# KiCad board ciaa_acc.kicad_pcb (continued)
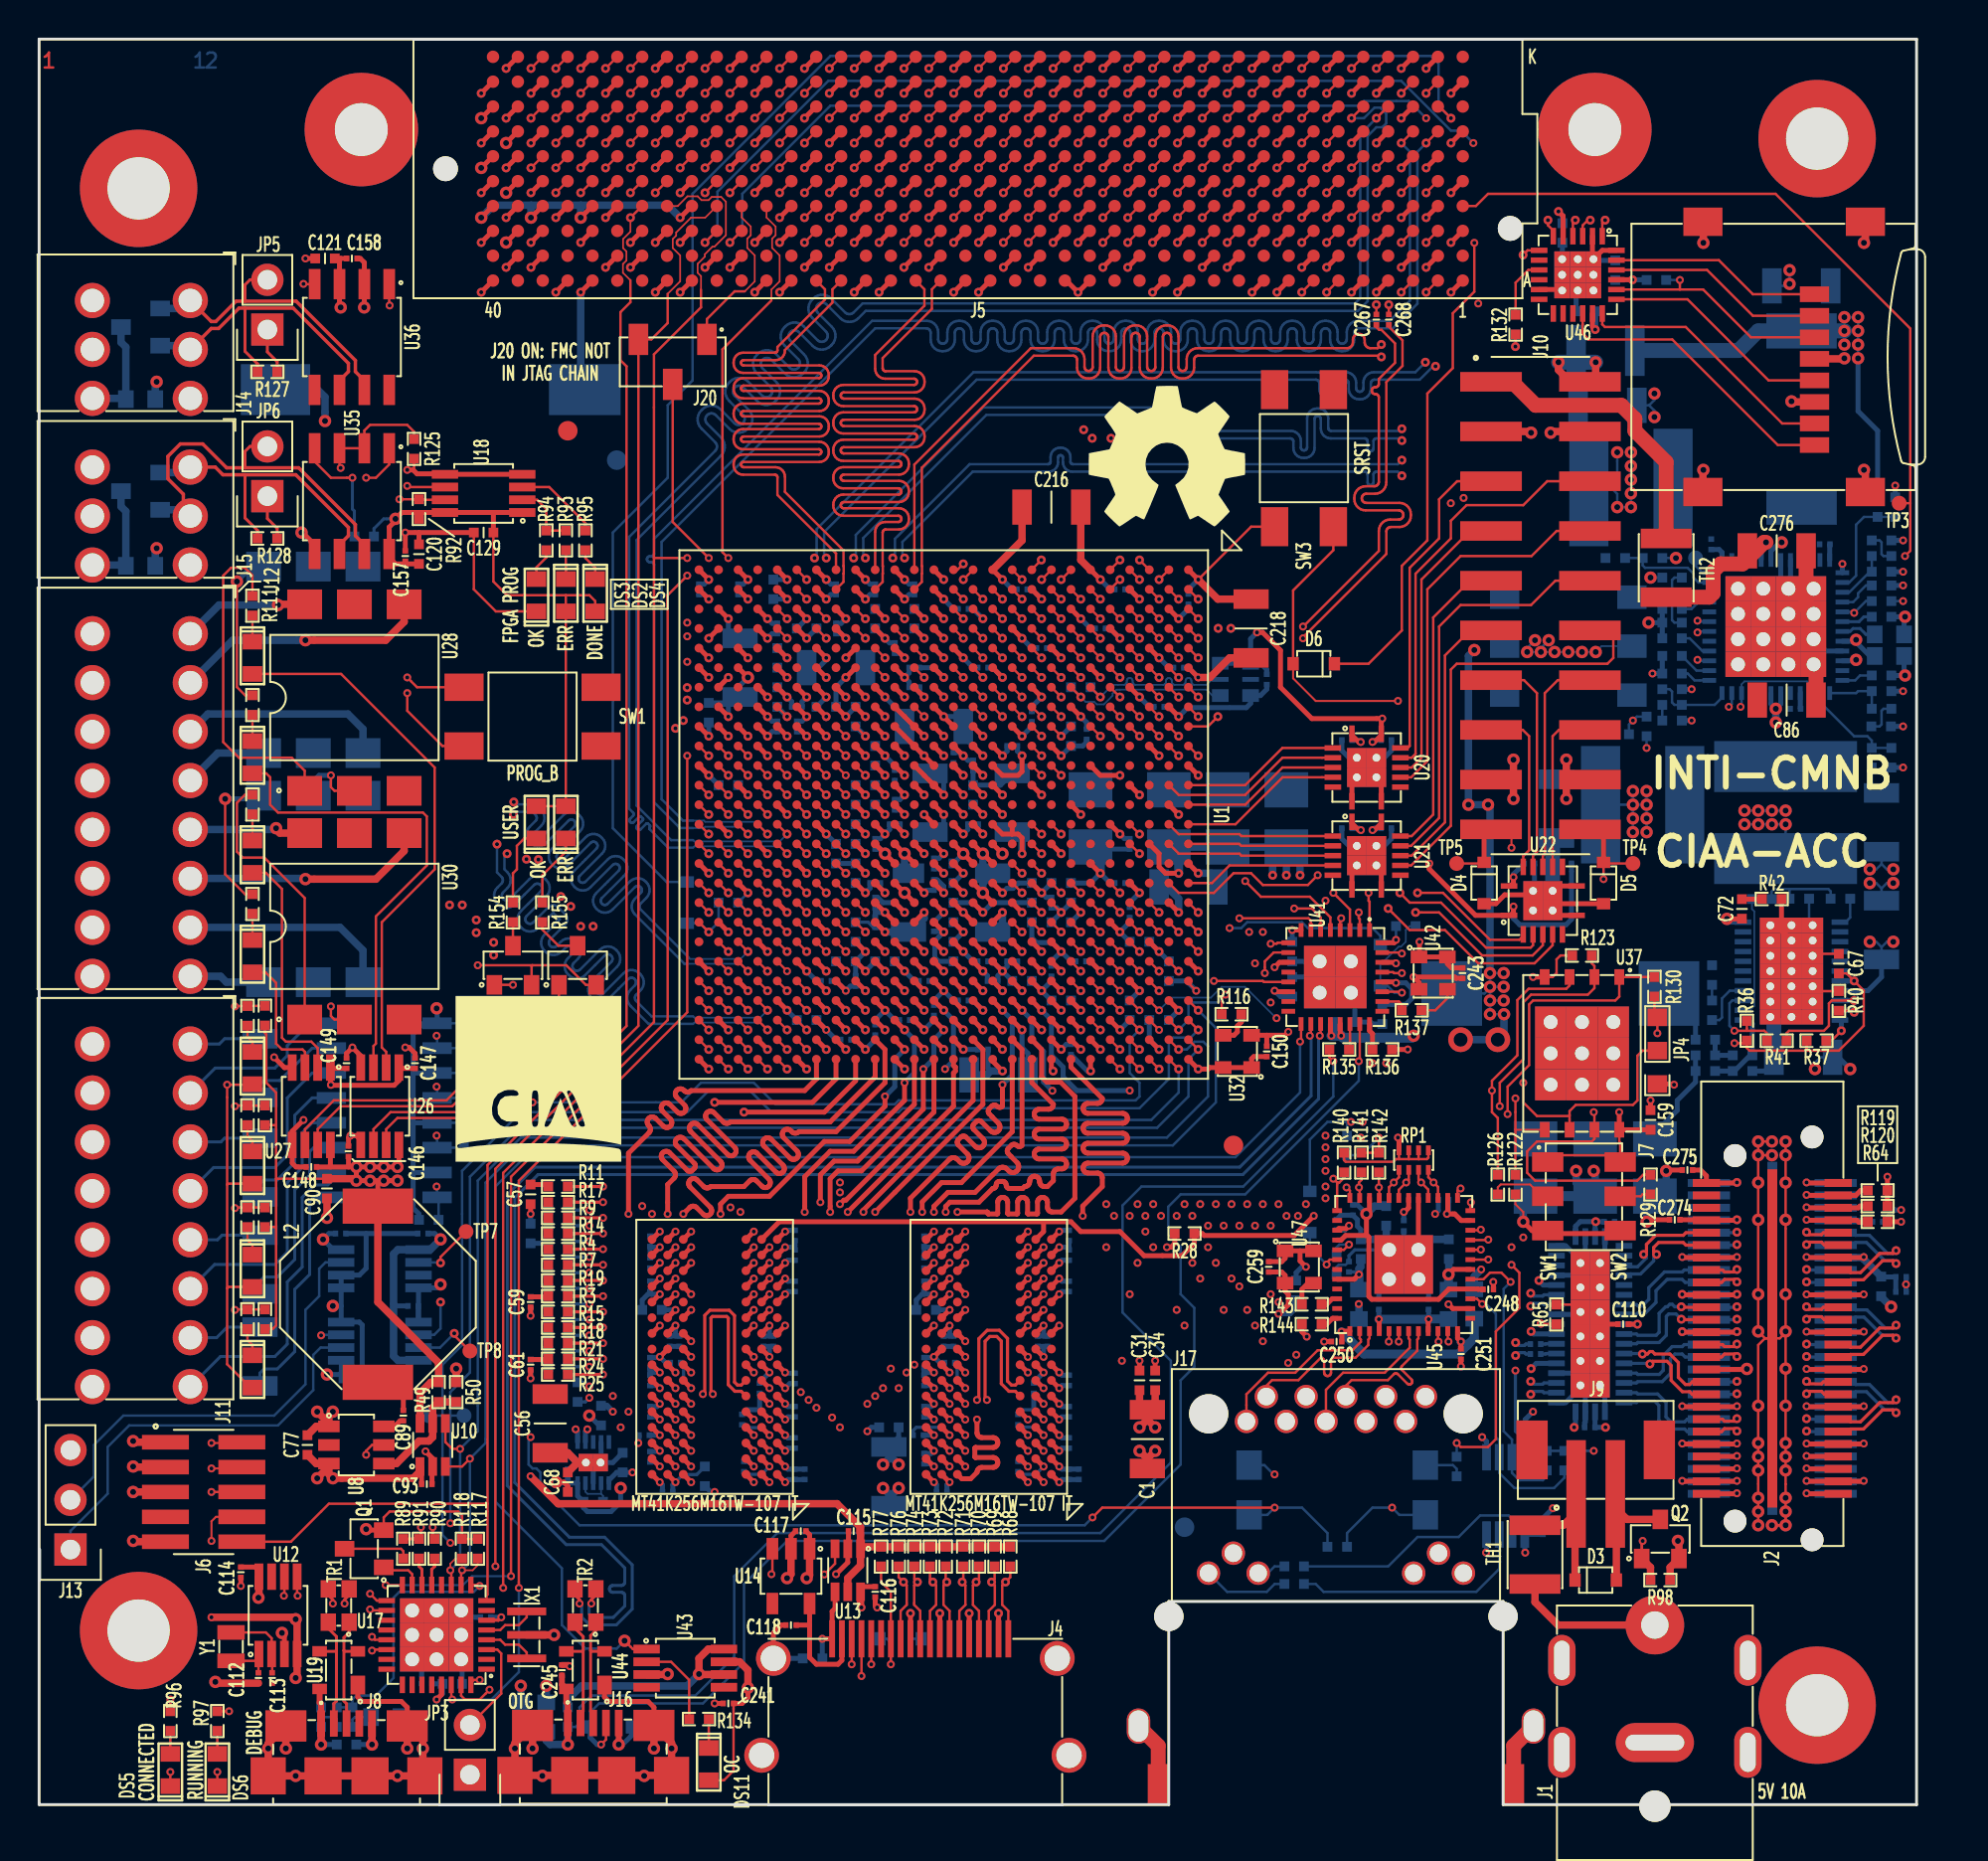
[diagram p0: board, top side]
## Routing (per net, layer and track width the routed paths; a pad name or vN(x,y) marks a point on that pad's centre or on a via; arc(x,y) is an arc through that point) (continued)
/Principal/BANKS_HP/FMC_HA_20_P: length 54.3
  TOP_L1.Sig w0.127: v2(50.52,82.32) 51.11,82.92 J5.E18 ; U1.B2 v2(58.2,61.57)
  L5.Sig w0.089: v2(50.52,82.32) 49.74,81.55 49.74,77.89 49.74,77.86 49.73,77.83 49.71,77.81 49.69,77.79 49.67,77.77 49.64,77.76 49.61,77.76 49.34,77.76 49.26,77.75 49.17,77.72 49.1,77.67 49.04,77.61 48.99,77.54 48.96,77.45 48.95,77.37 48.95,77.32 48.96,77.23 48.99,77.15 49.04,77.08 49.1,77.01 49.17,76.97 49.26,76.94 49.34,76.93 50.75,76.93 50.78,76.92 50.81,76.91 50.83,76.9 50.85,76.88 50.87,76.85 50.88,76.82 50.88,76.79 50.88,76.76 50.87,76.73 50.85,76.71 50.83,76.69 50.81,76.67 50.78,76.66 50.75,76.66 49.34,76.66 49.26,76.65 49.17,76.62 49.1,76.57 49.04,76.51 48.99,76.44 48.96,76.35 48.95,76.27 48.95,76.22 48.96,76.13 48.99,76.05 49.04,75.98 49.1,75.91 49.17,75.87 49.26,75.84 49.34,75.83 50.75,75.83 50.78,75.82 50.81,75.81 50.83,75.8 50.85,75.78 50.87,75.75 50.88,75.72 50.88,75.69 50.88,75.66 50.87,75.63 50.85,75.61 50.83,75.59 50.81,75.57 50.78,75.56 50.75,75.56 50.13,75.56 50.05,75.55 49.96,75.52 49.89,75.47 49.83,75.41 49.78,75.34 49.75,75.25 49.74,75.17 49.74,75.03 50.41,74.36 50.48,74.31 50.56,74.27 50.64,74.25 50.73,74.25 50.82,74.27 50.89,74.31 50.96,74.36 51.4,74.79 51.42,74.81 51.45,74.83 51.48,74.83 51.51,74.83 51.54,74.83 51.56,74.81 51.59,74.79 51.61,74.77 51.62,74.74 51.63,74.71 51.63,74.68 51.62,74.65 51.61,74.63 51.59,74.6 51.15,74.17 51.1,74.1 51.06,74.02 51.04,73.94 51.04,73.85 51.06,73.76 51.1,73.68 51.15,73.62 51.19,73.58 51.26,73.53 51.34,73.49 51.42,73.47 51.51,73.47 51.59,73.49 51.67,73.53 51.74,73.58 52.17,74.02 52.2,74.03 52.23,74.05 52.26,74.05 52.29,74.05 52.32,74.05 52.34,74.03 52.37,74.02 52.39,73.99 52.4,73.96 52.41,73.94 52.41,73.91 52.4,73.88 52.39,73.85 52.37,73.82 51.93,73.39 51.88,73.32 51.84,73.24 51.82,73.16 51.82,73.07 51.84,72.99 51.88,72.91 51.93,72.84 51.97,72.8 52.03,72.75 52.11,72.71 52.2,72.69 52.29,72.69 52.37,72.71 52.45,72.75 52.52,72.8 52.95,73.24 52.98,73.26 53,73.27 53.03,73.28 53.06,73.28 53.09,73.27 53.12,73.26 53.14,73.24 53.16,73.21 53.18,73.19 53.18,73.16 53.18,73.13 53.18,73.1 53.16,73.07 53.14,73.05 52.3,72.2 52.26,72.15 52.23,72.09 52.21,72.02 52.21,71.96 52.23,71.89 52.26,71.83 52.3,71.78 52.46,71.61 52.52,71.57 52.58,71.54 52.64,71.53 52.71,71.53 52.77,71.54 52.83,71.57 52.88,71.61 53,71.73 53,71.73 53.01,71.73 53.02,71.74 53.02,71.74 53.03,71.73 53.04,71.73 53.05,71.73 53.13,71.64 53.72,71.64 53.81,71.65 53.9,71.68 53.98,71.73 54.04,71.8 54.09,71.88 54.12,71.97 54.13,72.06 54.13,72.62 54.14,72.66 54.15,72.69 54.17,72.72 54.19,72.75 54.22,72.77 54.26,72.78 54.29,72.78 54.33,72.78 54.36,72.77 54.39,72.75 54.42,72.72 54.44,72.69 54.45,72.66 54.45,72.62 54.45,72.06 54.46,71.97 54.49,71.88 54.54,71.8 54.61,71.73 54.69,71.68 54.78,71.65 54.87,71.64 55.92,71.64 57.39,70.18 57.41,70.15 57.42,70.13 57.42,70.1 57.42,70.07 57.42,70.05 57.41,70.02 57.39,70 57.18,69.79 57.16,69.77 57.15,69.75 57.15,69.72 57.15,69.69 57.15,69.66 57.16,69.64 57.18,69.62 57.2,69.6 57.23,69.59 57.26,69.58 57.28,69.58 57.31,69.59 57.34,69.6 57.36,69.62 57.56,69.82 57.59,69.84 57.61,69.85 57.64,69.86 57.67,69.86 57.69,69.85 57.72,69.84 57.74,69.82 57.76,69.8 57.77,69.78 57.78,69.75 57.78,69.72 57.77,69.69 57.76,69.67 57.74,69.65 57.54,69.44 57.52,69.42 57.51,69.39 57.5,69.37 57.5,69.34 57.51,69.31 57.52,69.29 57.54,69.26 57.56,69.25 57.58,69.23 57.61,69.23 57.64,69.23 57.67,69.23 57.69,69.25 57.71,69.26 57.92,69.47 57.94,69.49 57.97,69.5 57.99,69.51 58.02,69.51 58.05,69.5 58.07,69.49 58.09,69.47 58.11,69.45 58.12,69.42 58.13,69.4 58.13,69.37 58.12,69.34 58.11,69.31 58.09,69.29 57.89,69.09 57.87,69.07 57.86,69.04 57.85,69.01 57.85,68.99 57.86,68.96 57.87,68.93 57.89,68.91 57.91,68.89 57.94,68.88 57.96,68.87 57.99,68.87 58.02,68.88 58.04,68.89 58.07,68.91 58.27,69.12 58.29,69.13 58.32,69.15 58.35,69.15 58.37,69.15 58.4,69.15 58.43,69.13 58.45,69.12 58.56,69 58.56,68.84 58.57,68.74 58.6,68.66 58.65,68.58 58.72,68.51 58.79,68.46 58.88,68.43 58.97,68.42 59.5,68.42 59.54,68.42 59.57,68.41 59.6,68.39 59.63,68.36 59.65,68.33 59.66,68.3 59.66,68.26 59.66,68.23 59.65,68.19 59.63,68.16 59.6,68.14 59.57,68.12 59.54,68.11 59.5,68.1 58.97,68.1 58.88,68.09 58.79,68.06 58.72,68.01 58.65,67.95 58.6,67.87 58.57,67.78 58.56,67.69 58.56,67.64 58.57,67.54 58.6,67.46 58.65,67.38 58.72,67.31 58.79,67.26 58.88,67.23 58.97,67.22 60.45,67.22 60.49,67.22 60.52,67.21 60.55,67.19 60.58,67.16 60.6,67.13 60.61,67.1 60.61,67.06 60.61,67.03 60.6,66.99 60.58,66.96 60.55,66.94 60.52,66.92 60.49,66.91 60.45,66.9 58.97,66.9 58.88,66.89 58.79,66.86 58.72,66.81 58.65,66.75 58.6,66.67 58.57,66.58 58.56,66.49 58.56,66.44 58.57,66.34 58.6,66.26 58.65,66.18 58.72,66.11 58.79,66.06 58.88,66.03 58.97,66.02 60.45,66.02 60.49,66.02 60.52,66.01 60.55,65.99 60.58,65.96 60.6,65.93 60.61,65.9 60.61,65.86 60.61,65.83 60.6,65.79 60.58,65.76 60.55,65.74 60.52,65.72 60.49,65.71 60.45,65.7 58.97,65.7 58.88,65.69 58.79,65.66 58.72,65.61 58.65,65.55 58.6,65.47 58.57,65.38 58.56,65.29 58.56,63.16 58.58,63.15 58.58,61.95 v2(58.2,61.57)
/Principal/BANKS_HP/FMC_HA_21_N: length 54.4
  TOP_L1.Sig w0.127: v2(47.98,88.67) 48.57,89.27 J5.K20 ; U1.C3 v2(57.2,60.57)
  L3.Sig w0.089: v2(47.98,88.67) 48.47,88.18 48.47,86.96 48.42,86.91 47.42,86.91 47.2,86.69 47.2,85.57 47.42,85.36 48.3,85.36 48.47,85.19 48.47,84.42 48.42,84.37 47.41,84.37 47.2,84.16 47.2,83.1 47.48,82.82 48.3,82.82 48.47,82.65 48.47,81.87 48.43,81.83 47.41,81.83 47.2,81.62 47.2,80.49 47.42,80.28 48.43,80.28 48.47,80.23 48.47,78.74 48.47,78.72 48.46,78.7 48.45,78.68 48.43,78.66 48.41,78.64 48.39,78.64 48.36,78.63 47.15,78.63 47.07,78.62 46.99,78.6 46.92,78.55 46.86,78.5 46.82,78.43 46.79,78.35 46.78,78.27 46.78,78.22 46.79,78.14 46.82,78.06 46.86,77.99 46.92,77.93 46.99,77.89 47.07,77.86 47.15,77.85 49.15,77.85 49.18,77.85 49.2,77.84 49.22,77.83 49.24,77.81 49.25,77.79 49.26,77.77 49.26,77.74 49.26,77.72 49.25,77.7 49.24,77.68 49.22,77.66 49.2,77.64 49.18,77.64 49.15,77.63 48.84,77.63 48.76,77.62 48.68,77.6 48.61,77.55 48.55,77.5 48.51,77.43 48.48,77.35 48.47,77.27 48.47,75.7 48.47,75.68 48.46,75.65 48.45,75.63 48.43,75.61 48.4,75.59 48.38,75.58 48.35,75.58 48.21,75.58 48.19,75.58 48.16,75.57 48.14,75.55 48.12,75.53 48.1,75.51 48.09,75.48 48.09,75.45 48.09,75.43 48.1,75.4 48.12,75.38 48.14,75.36 48.16,75.34 48.19,75.33 48.21,75.33 48.35,75.33 48.38,75.33 48.4,75.32 48.43,75.3 48.45,75.28 48.46,75.26 48.47,75.23 48.47,75.2 48.47,75.18 48.46,75.15 48.45,75.13 48.43,75.11 48.4,75.09 48.38,75.08 48.35,75.08 48.21,75.08 48.19,75.08 48.16,75.07 48.14,75.05 48.12,75.03 48.1,75.01 48.09,74.98 48.09,74.95 48.09,74.93 48.1,74.9 48.12,74.88 48.14,74.86 48.16,74.84 48.19,74.83 48.21,74.83 48.35,74.83 48.38,74.83 48.4,74.82 48.43,74.8 48.45,74.78 48.46,74.76 48.47,74.73 48.47,74.7 48.47,74.39 51.98,70.88 55.41,70.88 55.97,70.32 55.99,70.3 56,70.28 56,70.25 56,70.23 56,70.2 55.99,70.18 55.97,70.16 55.85,70.04 55.8,69.97 55.77,69.9 55.75,69.82 55.75,69.73 55.77,69.65 55.8,69.58 55.85,69.51 55.91,69.45 55.98,69.4 56.05,69.37 56.13,69.35 56.22,69.35 56.3,69.37 56.38,69.4 56.44,69.45 56.56,69.57 56.58,69.59 56.6,69.6 56.63,69.6 56.65,69.6 56.68,69.6 56.7,69.59 56.73,69.57 56.82,69.48 56.83,69.46 56.83,69.45 56.84,69.43 56.84,69.42 56.83,69.4 56.83,69.39 56.82,69.38 56.71,69.26 56.66,69.21 56.63,69.14 56.61,69.07 56.61,69 56.63,68.92 56.66,68.86 56.71,68.8 56.83,68.68 56.88,68.63 56.95,68.6 57.02,68.58 57.1,68.58 57.17,68.6 57.23,68.63 57.29,68.68 57.4,68.79 57.42,68.8 57.43,68.81 57.45,68.81 57.46,68.81 57.48,68.81 57.49,68.8 57.5,68.79 57.56,68.73 57.56,67.42 57.57,67.36 57.59,67.3 57.62,67.25 57.66,67.21 57.71,67.18 57.76,67.16 57.82,67.16 57.98,67.16 57.98,66.93 57.4,66.93 57.35,66.93 57.29,66.91 57.24,66.88 57.2,66.84 57.17,66.79 57.15,66.73 57.14,66.67 57.14,66.42 57.15,66.36 57.17,66.3 57.2,66.25 57.24,66.21 57.29,66.18 57.35,66.16 57.4,66.16 57.98,66.16 57.98,65.93 57.4,65.93 57.35,65.93 57.29,65.91 57.24,65.88 57.2,65.84 57.17,65.79 57.15,65.73 57.14,65.67 57.14,65.42 57.15,65.36 57.17,65.3 57.2,65.25 57.24,65.21 57.29,65.18 57.35,65.16 57.4,65.16 57.98,65.16 57.98,64.93 57.4,64.93 57.35,64.93 57.29,64.91 57.24,64.88 57.2,64.84 57.17,64.79 57.15,64.73 57.14,64.67 57.14,64.42 57.15,64.36 57.17,64.3 57.2,64.25 57.24,64.21 57.29,64.18 57.35,64.16 57.4,64.16 57.98,64.16 57.98,63.93 57.82,63.93 57.76,63.93 57.71,63.91 57.66,63.88 57.62,63.84 57.59,63.79 57.57,63.73 57.56,63.67 57.56,63.15 57.57,63.13 57.57,60.94 v2(57.2,60.57)
/Principal/BANKS_HP/FMC_HA_21_P: length 54.4
  TOP_L1.Sig w0.127: J5.K19 49.84,89.27 v2(49.25,88.67) ; U1.C4 v2(57.2,59.57)
  L3.Sig w0.089: v2(49.25,88.67) 48.75,88.18 48.75,86.84 48.54,86.63 47.53,86.63 47.48,86.58 47.48,85.69 47.53,85.64 48.42,85.64 48.75,85.3 48.75,84.3 48.54,84.09 47.53,84.09 47.48,84.04 47.48,83.21 47.6,83.1 48.42,83.1 48.75,82.76 48.75,81.76 48.54,81.55 47.53,81.55 47.48,81.5 47.48,80.61 47.53,80.56 48.54,80.56 48.75,80.35 48.75,78.72 48.74,78.64 48.72,78.56 48.67,78.49 48.61,78.43 48.54,78.39 48.47,78.36 48.39,78.35 47.17,78.35 47.15,78.35 47.13,78.34 47.1,78.33 47.09,78.31 47.07,78.29 47.07,78.27 47.06,78.24 47.07,78.22 47.07,78.2 47.09,78.18 47.1,78.16 47.13,78.14 47.15,78.14 47.17,78.13 49.18,78.13 49.26,78.12 49.33,78.1 49.4,78.05 49.46,78 49.51,77.93 49.53,77.85 49.54,77.77 49.54,77.72 49.53,77.64 49.51,77.56 49.46,77.49 49.4,77.43 49.33,77.39 49.26,77.36 49.18,77.35 48.86,77.35 48.84,77.35 48.82,77.34 48.79,77.33 48.78,77.31 48.76,77.29 48.76,77.27 48.75,77.24 48.75,74.51 52.1,71.16 55.53,71.16 56.18,70.51 56.24,70.44 56.27,70.36 56.29,70.28 56.29,70.2 56.27,70.12 56.24,70.04 56.18,69.97 56.07,69.86 56.05,69.84 56.04,69.81 56.03,69.79 56.03,69.76 56.04,69.74 56.05,69.71 56.07,69.69 56.09,69.67 56.11,69.65 56.14,69.64 56.16,69.63 56.19,69.63 56.22,69.64 56.24,69.65 56.26,69.67 56.38,69.78 56.44,69.84 56.52,69.87 56.6,69.89 56.68,69.89 56.76,69.87 56.84,69.84 56.91,69.78 57.03,69.66 57.08,69.6 57.11,69.54 57.12,69.46 57.12,69.39 57.11,69.32 57.08,69.25 57.03,69.19 56.92,69.08 56.91,69.07 56.9,69.06 56.9,69.04 56.9,69.02 56.9,69.01 56.91,69 56.92,68.98 57.01,68.89 57.02,68.88 57.04,68.87 57.05,68.87 57.07,68.87 57.08,68.87 57.1,68.88 57.11,68.89 57.22,69 57.28,69.05 57.35,69.08 57.42,69.1 57.49,69.1 57.56,69.08 57.63,69.05 57.69,69 57.84,68.85 57.84,67.43 58,67.43 58.05,67.43 58.11,67.41 58.16,67.38 58.2,67.34 58.23,67.29 58.25,67.23 58.26,67.17 58.26,66.92 58.25,66.86 58.23,66.8 58.2,66.75 58.16,66.71 58.11,66.68 58.05,66.66 58,66.66 57.42,66.66 57.42,66.43 58,66.43 58.05,66.43 58.11,66.41 58.16,66.38 58.2,66.34 58.23,66.29 58.25,66.23 58.26,66.17 58.26,65.92 58.25,65.86 58.23,65.8 58.2,65.75 58.16,65.71 58.11,65.68 58.05,65.66 58,65.66 57.42,65.66 57.42,65.43 58,65.43 58.05,65.43 58.11,65.41 58.16,65.38 58.2,65.34 58.23,65.29 58.25,65.23 58.26,65.17 58.26,64.92 58.25,64.86 58.23,64.8 58.2,64.75 58.16,64.71 58.11,64.68 58.05,64.66 58,64.66 57.42,64.66 57.42,64.43 58,64.43 58.05,64.43 58.11,64.41 58.16,64.38 58.2,64.34 58.23,64.29 58.25,64.23 58.26,64.17 58.26,63.92 58.25,63.86 58.23,63.8 58.2,63.75 58.16,63.71 58.11,63.68 58.05,63.66 58,63.66 57.84,63.66 57.84,63.15 57.82,63.13 57.82,60.19 v2(57.2,59.57)
/Principal/BANKS_HP/FMC_HA_22_N: length 54.4
  TOP_L1.Sig w0.127: J5.J22 46.03,88 v2(45.44,87.4) ; U1.D3 v2(56.2,60.57)
  L3.Sig w0.089: v2(56.2,60.57) 56.57,60.94 56.57,63.91 56.56,63.92 56.56,65.16 55.77,65.95 55.71,66.03 55.67,66.11 55.65,66.2 55.65,66.29 55.67,66.38 55.71,66.47 55.77,66.54 56.95,67.72 56.97,67.74 56.98,67.78 56.99,67.81 56.99,67.85 56.98,67.88 56.97,67.92 56.95,67.94 56.92,67.97 56.89,67.98 56.85,67.99 56.82,67.99 56.78,67.98 56.75,67.97 56.72,67.94 55.54,66.77 55.47,66.71 55.39,66.67 55.3,66.65 55.2,66.65 55.11,66.67 55.03,66.71 54.96,66.77 54.92,66.8 54.86,66.87 54.82,66.96 54.8,67.05 54.8,67.14 54.82,67.23 54.86,67.32 54.92,67.39 56.1,68.57 56.12,68.59 56.14,68.63 56.14,68.66 56.14,68.7 56.14,68.73 56.12,68.76 56.1,68.79 56.07,68.81 56.04,68.83 56,68.84 55.97,68.84 55.93,68.83 55.9,68.81 55.87,68.79 54.69,67.61 54.62,67.56 54.54,67.52 54.45,67.5 54.35,67.5 54.26,67.52 54.18,67.56 54.11,67.61 54.07,67.65 54.01,67.72 53.97,67.81 53.95,67.9 53.95,67.99 53.97,68.08 54.01,68.16 54.07,68.24 54.68,68.85 54.71,68.88 54.72,68.91 54.73,68.94 54.73,68.98 54.72,69.01 54.71,69.05 54.68,69.07 54.66,69.1 54.62,69.11 54.59,69.12 54.55,69.12 54.52,69.11 54.49,69.1 54.46,69.07 53.85,68.46 53.77,68.41 53.69,68.36 53.6,68.34 53.51,68.34 53.42,68.36 53.33,68.41 53.26,68.46 49.19,72.53 47.79,72.53 47.69,72.63 47.64,72.7 47.6,72.78 47.58,72.86 47.58,72.95 47.6,73.04 47.64,73.12 47.69,73.18 48.09,73.58 48.11,73.61 48.12,73.63 48.13,73.66 48.13,73.69 48.12,73.72 48.11,73.75 48.09,73.77 48.07,73.79 48.04,73.8 48.01,73.81 47.98,73.81 47.95,73.8 47.92,73.79 47.9,73.77 47.03,72.91 46.97,72.86 46.9,72.82 46.82,72.8 46.73,72.8 46.65,72.82 46.58,72.86 46.52,72.91 46.45,72.97 46.4,73.04 46.36,73.11 46.34,73.19 46.34,73.27 46.36,73.35 46.4,73.43 46.45,73.49 46.56,73.61 46.58,73.63 46.59,73.65 46.59,73.67 46.59,73.7 46.59,73.72 46.58,73.74 46.56,73.76 46.51,73.81 46.49,73.83 46.47,73.84 46.45,73.84 46.43,73.84 46.41,73.84 46.39,73.83 46.37,73.81 46.06,73.5 46.04,73.49 46.02,73.48 46,73.48 45.98,73.48 45.95,73.48 45.93,73.49 45.92,73.5 45.9,73.52 45.89,73.54 45.89,73.56 45.89,73.59 45.89,73.61 45.9,73.63 45.92,73.65 46.23,73.96 46.24,73.97 46.25,73.99 46.26,74.02 46.26,74.04 46.25,74.06 46.24,74.08 46.23,74.1 45.93,74.39 45.93,74.53 45.94,74.62 45.97,74.7 46.02,74.78 46.08,74.84 46.15,74.88 46.24,74.91 46.32,74.92 47.09,74.92 47.12,74.93 47.15,74.94 47.17,74.95 47.19,74.97 47.21,75 47.22,75.03 47.22,75.06 47.22,75.09 47.21,75.12 47.19,75.14 47.17,75.16 47.15,75.18 47.12,75.19 47.09,75.19 45.69,75.19 45.61,75.2 45.54,75.23 45.47,75.27 45.42,75.32 45.38,75.39 45.35,75.46 45.34,75.54 45.34,75.68 45.35,75.76 45.38,75.83 45.42,75.89 45.47,75.95 45.54,75.99 45.61,76.01 45.69,76.02 47.44,76.02 47.47,76.03 47.5,76.04 47.52,76.05 47.54,76.07 47.56,76.1 47.57,76.13 47.57,76.16 47.57,76.19 47.56,76.22 47.54,76.24 47.52,76.26 47.5,76.28 47.47,76.29 47.44,76.29 46.32,76.29 46.24,76.3 46.15,76.33 46.08,76.38 46.02,76.44 45.97,76.51 45.94,76.6 45.93,76.68 45.93,86.91 v2(45.44,87.4)
/Principal/BANKS_HP/FMC_HA_22_P: length 54.4
  TOP_L1.Sig w0.127: J5.J21 47.3,88 v2(46.71,87.4) ; U1.D4 v2(56.2,59.57)
  L3.Sig w0.089: v2(46.71,87.4) 46.21,86.91 46.21,76.71 46.22,76.68 46.23,76.65 46.24,76.62 46.26,76.6 46.29,76.59 46.32,76.58 46.35,76.57 47.46,76.57 47.55,76.56 47.63,76.53 47.7,76.49 47.77,76.43 47.81,76.35 47.84,76.27 47.85,76.18 47.85,76.13 47.84,76.05 47.81,75.96 47.77,75.89 47.7,75.83 47.63,75.78 47.55,75.75 47.46,75.74 45.71,75.74 45.69,75.74 45.67,75.73 45.66,75.72 45.64,75.71 45.63,75.7 45.63,75.68 45.62,75.66 45.62,75.56 45.63,75.54 45.63,75.52 45.64,75.5 45.66,75.49 45.67,75.48 45.69,75.47 45.71,75.47 47.11,75.47 47.2,75.46 47.28,75.43 47.35,75.39 47.42,75.33 47.46,75.25 47.49,75.17 47.5,75.08 47.5,75.03 47.49,74.95 47.46,74.86 47.42,74.79 47.35,74.73 47.28,74.68 47.2,74.65 47.11,74.64 46.35,74.64 46.32,74.64 46.29,74.63 46.26,74.61 46.24,74.59 46.23,74.57 46.22,74.54 46.21,74.51 46.78,73.94 46.83,73.88 46.86,73.81 46.88,73.73 46.88,73.64 46.86,73.56 46.83,73.49 46.78,73.43 46.66,73.31 46.65,73.29 46.64,73.27 46.63,73.25 46.63,73.22 46.64,73.2 46.65,73.18 46.66,73.16 46.7,73.12 46.72,73.1 46.74,73.09 46.76,73.09 46.79,73.09 46.81,73.09 46.83,73.1 46.85,73.12 47.72,73.99 47.79,74.04 47.87,74.08 47.95,74.1 48.04,74.1 48.13,74.08 48.2,74.04 48.27,73.99 48.31,73.95 48.36,73.89 48.4,73.81 48.42,73.72 48.42,73.63 48.4,73.55 48.36,73.47 48.31,73.4 47.91,73 47.89,72.98 47.88,72.95 47.87,72.92 47.87,72.89 47.88,72.86 47.89,72.84 47.91,72.81 49.31,72.81 53.44,68.68 53.47,68.66 53.5,68.64 53.53,68.63 53.57,68.63 53.61,68.64 53.64,68.66 53.67,68.68 54.28,69.29 54.35,69.35 54.43,69.39 54.52,69.41 54.62,69.41 54.71,69.39 54.79,69.35 54.86,69.29 54.9,69.25 54.96,69.18 55,69.1 55.02,69.01 55.02,68.92 55,68.82 54.96,68.74 54.9,68.67 54.29,68.06 54.27,68.03 54.25,68 54.24,67.96 54.24,67.93 54.25,67.89 54.27,67.86 54.29,67.83 54.32,67.81 54.35,67.79 54.38,67.78 54.42,67.78 54.45,67.79 54.49,67.81 54.51,67.83 55.69,69.01 55.76,69.07 55.85,69.11 55.94,69.13 56.03,69.13 56.12,69.11 56.2,69.07 56.28,69.01 56.31,68.97 56.37,68.9 56.41,68.82 56.43,68.72 56.43,68.63 56.41,68.54 56.37,68.46 56.31,68.39 55.14,67.21 55.11,67.18 55.1,67.15 55.09,67.11 55.09,67.08 55.1,67.04 55.11,67.01 55.14,66.98 55.16,66.96 55.2,66.94 55.23,66.94 55.27,66.94 55.3,66.94 55.33,66.96 55.36,66.98 56.54,68.16 56.61,68.22 56.7,68.26 56.79,68.28 56.88,68.28 56.97,68.26 57.05,68.22 57.13,68.16 57.16,68.12 57.22,68.05 57.26,67.97 57.28,67.88 57.28,67.78 57.26,67.69 57.22,67.61 57.16,67.54 55.98,66.36 55.96,66.33 55.95,66.3 55.94,66.26 55.94,66.23 55.95,66.19 55.96,66.16 55.98,66.13 56.84,65.28 56.84,63.93 56.82,63.91 56.82,60.19 v2(56.2,59.57)
/Principal/BANKS_HP/FMC_HA_23_N: length 54.3
  TOP_L1.Sig w0.127: v2(44.17,88.67) 44.76,89.27 J5.K23 ; U1.D5 v2(56.2,58.57)
  L3.Sig w0.089: v2(44.17,88.67) 44.54,88.67 44.66,88.8 44.66,89.11 45.03,89.48 45.97,89.48 46.21,89.24 46.21,88.32 45.79,87.9 45.11,87.9 44.94,87.73 44.94,81.76 44.73,81.55 43.72,81.55 43.67,81.5 43.67,80.61 43.72,80.56 44.61,80.56 44.94,80.22 44.94,76.71 44.93,76.63 44.91,76.55 44.86,76.48 44.8,76.43 44.73,76.38 44.66,76.36 44.58,76.35 43.91,76.35 43.89,76.34 43.87,76.34 43.84,76.32 43.83,76.3 43.81,76.28 43.81,76.26 43.8,76.24 43.81,76.21 43.81,76.19 43.83,76.17 43.84,76.15 43.87,76.14 43.89,76.13 43.91,76.13 44.58,76.13 44.66,76.12 44.73,76.09 44.8,76.05 44.86,75.99 44.91,75.92 44.93,75.84 44.94,75.76 44.94,75.71 44.93,75.63 44.91,75.55 44.86,75.48 44.8,75.43 44.73,75.38 44.66,75.36 44.58,75.35 43.96,75.35 43.94,75.34 43.92,75.34 43.89,75.32 43.88,75.3 43.86,75.28 43.86,75.26 43.85,75.24 43.86,75.21 43.86,75.19 43.88,75.17 43.89,75.15 43.92,75.14 43.94,75.13 43.96,75.13 45.22,75.13 45.3,75.12 45.37,75.09 45.44,75.05 45.5,74.99 45.55,74.92 45.57,74.84 45.58,74.76 45.58,74.71 45.57,74.63 45.55,74.55 45.5,74.48 45.44,74.43 45.37,74.38 45.3,74.36 45.22,74.35 44.19,74.35 44.04,74.2 44.04,73.89 44.35,73.58 44.37,73.56 44.39,73.55 44.41,73.55 44.44,73.55 44.46,73.55 44.49,73.56 44.5,73.58 44.92,73.99 44.98,74.04 45.05,74.08 45.13,74.09 45.22,74.09 45.3,74.08 45.37,74.04 45.43,73.99 45.47,73.96 45.52,73.89 45.55,73.82 45.57,73.74 45.57,73.66 45.55,73.58 45.52,73.5 45.47,73.44 44.88,72.85 44.87,72.86 44.68,72.66 44.84,72.5 45.48,73.14 45.55,73.19 45.62,73.23 45.7,73.25 45.78,73.25 45.86,73.23 45.94,73.19 46,73.14 46.03,73.11 46.08,73.04 46.12,72.97 46.14,72.89 46.14,72.81 46.12,72.73 46.08,72.65 46.03,72.59 45.76,72.32 45.75,72.3 45.74,72.28 45.73,72.25 45.73,72.23 45.74,72.21 45.75,72.18 45.76,72.16 45.88,72.05 48.92,72.05 55.84,65.13 55.84,63.94 55.81,63.91 55.81,63.27 55.82,63.26 55.82,58.95 v2(56.2,58.57)
/Principal/BANKS_HP/FMC_HA_23_P: length 54.4
  TOP_L1.Sig w0.127: U1.E6 v2(55.2,57.57) ; J5.K22 46.03,89.27 v2(45.44,88.67)
  L3.Sig w0.089: v2(55.2,57.57) 55.57,57.94 55.57,63.89 55.56,63.91 55.56,65.01 48.8,71.77 45.76,71.77 45.55,71.98 45.5,72.05 45.46,72.12 45.44,72.2 45.44,72.28 45.46,72.36 45.5,72.44 45.55,72.5 45.82,72.77 45.83,72.79 45.85,72.81 45.85,72.84 45.85,72.86 45.85,72.89 45.83,72.91 45.82,72.93 45.8,72.94 45.78,72.95 45.75,72.96 45.73,72.96 45.7,72.95 45.68,72.94 45.66,72.93 45.03,72.29 44.98,72.26 44.93,72.23 44.87,72.22 44.82,72.22 44.76,72.23 44.71,72.26 44.66,72.29 44.48,72.48 44.44,72.52 44.41,72.57 44.4,72.63 44.4,72.69 44.41,72.75 44.44,72.8 44.48,72.84 45.25,73.62 45.27,73.64 45.28,73.66 45.28,73.69 45.28,73.71 45.28,73.73 45.27,73.76 45.25,73.78 45.23,73.79 45.21,73.8 45.19,73.81 45.16,73.81 45.14,73.8 45.12,73.79 45.1,73.78 44.69,73.36 44.62,73.31 44.55,73.28 44.47,73.26 44.39,73.26 44.31,73.28 44.23,73.31 44.17,73.36 43.79,73.74 43.79,74.32 44.09,74.63 45.19,74.63 45.22,74.63 45.24,74.64 45.26,74.65 45.28,74.67 45.29,74.69 45.3,74.71 45.3,74.74 45.3,74.76 45.29,74.78 45.28,74.8 45.26,74.82 45.24,74.84 45.22,74.84 45.19,74.85 43.94,74.85 43.86,74.86 43.78,74.88 43.71,74.93 43.65,74.98 43.61,75.05 43.58,75.13 43.57,75.21 43.57,75.26 43.58,75.34 43.61,75.42 43.65,75.49 43.71,75.55 43.78,75.59 43.86,75.62 43.94,75.63 44.55,75.63 44.58,75.63 44.6,75.64 44.62,75.65 44.64,75.67 44.65,75.69 44.66,75.71 44.66,75.74 44.66,75.76 44.65,75.78 44.64,75.8 44.62,75.82 44.6,75.84 44.58,75.84 44.55,75.85 43.89,75.85 43.81,75.86 43.73,75.88 43.66,75.93 43.6,75.98 43.56,76.05 43.53,76.13 43.52,76.21 43.52,76.26 43.53,76.34 43.56,76.42 43.6,76.49 43.66,76.55 43.73,76.59 43.81,76.62 43.89,76.63 44.55,76.63 44.58,76.63 44.6,76.64 44.62,76.65 44.64,76.67 44.65,76.69 44.66,76.71 44.66,76.74 44.66,80.11 44.49,80.28 43.61,80.28 43.39,80.49 43.39,81.62 43.6,81.83 44.62,81.83 44.66,81.87 44.66,87.84 45,88.18 45.68,88.18 45.93,88.43 45.93,89.12 45.86,89.2 45.15,89.2 44.94,89 44.94,88.8 45.07,88.67 v2(45.44,88.67)
/Principal/BANKS_HP/FMC_HB_0_N: length 54.3
  TOP_L1.Sig w0.127: J5.K26 40.95,89.27 v2(40.36,88.67) ; U1.E7 v2(55.2,56.57)
  L3.Sig w0.089: v2(55.2,56.57) 54.7,56.07 54.1,56.07 53.82,56.35 53.82,63.13 53.84,63.15 53.84,64.72 48.04,70.53 42.14,70.53 41.13,71.53 41.13,73.43 41.14,73.47 41.15,73.5 41.17,73.53 41.19,73.56 41.22,73.58 41.26,73.59 41.29,73.59 41.47,73.59 41.56,73.6 41.65,73.64 41.73,73.68 41.79,73.75 41.84,73.83 41.87,73.92 41.88,74.01 41.88,74.06 41.87,74.15 41.84,74.24 41.79,74.32 41.73,74.38 41.65,74.43 41.56,74.46 41.47,74.47 40.34,74.47 40.31,74.48 40.27,74.49 40.24,74.51 40.22,74.53 40.2,74.56 40.19,74.6 40.18,74.63 40.19,74.67 40.2,74.7 40.22,74.73 40.24,74.76 40.27,74.78 40.31,74.79 40.34,74.79 41.47,74.79 41.56,74.8 41.65,74.84 41.73,74.88 41.79,74.95 41.84,75.03 41.87,75.12 41.88,75.21 41.88,75.26 41.87,75.35 41.84,75.44 41.79,75.52 41.73,75.58 41.65,75.63 41.56,75.66 41.47,75.67 40.19,75.67 40.16,75.68 40.12,75.69 40.09,75.71 40.07,75.73 40.05,75.76 40.04,75.8 40.03,75.83 40.04,75.87 40.05,75.9 40.07,75.93 40.09,75.96 40.12,75.98 40.16,75.99 40.19,75.99 41.47,75.99 41.56,76 41.65,76.04 41.73,76.08 41.79,76.15 41.84,76.23 41.87,76.32 41.88,76.41 41.88,76.46 41.87,76.55 41.84,76.64 41.79,76.72 41.73,76.78 41.65,76.83 41.56,76.86 41.47,76.87 41.29,76.87 41.26,76.88 41.22,76.89 41.19,76.91 41.17,76.93 41.15,76.96 41.14,77 41.13,77.03 41.13,87.67 41.63,88.17 41.88,88.17 42.14,88.42 42.14,88.93 41.88,89.18 41.5,89.18 40.99,88.67 v2(40.36,88.67)
/Principal/BANKS_HP/FMC_HB_0_P: length 54.3
  TOP_L1.Sig w0.127: J5.K25 42.22,89.27 v2(41.63,88.67) ; U1.F8 v2(54.2,55.57)
  L3.Sig w0.089: v2(41.63,88.67) 40.85,87.9 40.85,77.01 40.86,76.92 40.89,76.83 40.94,76.75 41.01,76.68 41.09,76.64 41.18,76.6 41.27,76.59 41.44,76.59 41.48,76.59 41.51,76.58 41.54,76.56 41.57,76.53 41.59,76.5 41.6,76.47 41.6,76.43 41.6,76.4 41.59,76.36 41.57,76.33 41.54,76.31 41.51,76.29 41.48,76.28 41.44,76.27 40.17,76.27 40.08,76.26 39.99,76.23 39.91,76.18 39.84,76.12 39.79,76.04 39.76,75.95 39.75,75.86 39.75,75.81 39.76,75.72 39.79,75.63 39.84,75.55 39.91,75.48 39.99,75.44 40.08,75.4 40.17,75.39 41.44,75.39 41.48,75.39 41.51,75.38 41.54,75.36 41.57,75.33 41.59,75.3 41.6,75.27 41.6,75.23 41.6,75.2 41.59,75.16 41.57,75.13 41.54,75.11 41.51,75.09 41.48,75.08 41.44,75.07 40.32,75.07 40.23,75.06 40.14,75.03 40.06,74.98 39.99,74.92 39.94,74.84 39.91,74.75 39.9,74.66 39.9,74.61 39.91,74.52 39.94,74.43 39.99,74.35 40.06,74.28 40.14,74.24 40.23,74.2 40.32,74.19 41.44,74.19 41.48,74.19 41.51,74.18 41.54,74.16 41.57,74.13 41.59,74.1 41.6,74.07 41.6,74.03 41.6,74 41.59,73.96 41.57,73.93 41.54,73.91 41.51,73.89 41.48,73.88 41.44,73.87 41.27,73.87 41.18,73.86 41.09,73.83 41.01,73.78 40.94,73.72 40.89,73.64 40.86,73.55 40.85,73.46 40.85,73.15 40.85,73.12 40.84,73.1 40.83,73.08 40.81,73.06 40.79,73.05 40.76,73.04 40.74,73.04 40.33,73.04 40.3,73.03 40.28,73.02 40.26,73.01 40.24,72.99 40.22,72.97 40.22,72.95 40.21,72.92 40.22,72.9 40.22,72.87 40.24,72.85 40.26,72.83 40.28,72.82 40.3,72.81 40.33,72.81 40.74,72.81 40.76,72.81 40.79,72.8 40.81,72.78 40.83,72.77 40.84,72.74 40.85,72.72 40.85,72.69 40.85,72.67 40.84,72.64 40.83,72.62 40.81,72.61 40.79,72.59 40.76,72.58 40.74,72.58 40.33,72.58 40.3,72.58 40.28,72.57 40.26,72.56 40.24,72.54 40.22,72.52 40.22,72.49 40.21,72.47 40.22,72.44 40.22,72.42 40.24,72.4 40.26,72.38 40.28,72.36 40.3,72.36 40.33,72.35 40.74,72.35 40.76,72.35 40.79,72.34 40.81,72.33 40.83,72.31 40.84,72.29 40.85,72.26 40.85,72.24 40.85,72.21 40.84,72.19 40.83,72.17 40.81,72.15 40.79,72.14 40.76,72.13 40.74,72.12 40.33,72.12 40.3,72.12 40.28,72.11 40.26,72.1 40.24,72.08 40.22,72.06 40.22,72.04 40.21,72.01 40.22,71.99 40.22,71.96 40.24,71.94 40.26,71.92 40.28,71.91 40.3,71.9 40.33,71.9 40.74,71.9 40.76,71.89 40.79,71.89 40.81,71.87 40.83,71.85 40.84,71.83 40.85,71.81 40.85,71.78 40.85,71.42 42.03,70.25 47.92,70.25 53.56,64.61 53.56,63.15 53.58,63.13 53.58,56.19 v2(54.2,55.57)
